# KiCad board bottom-board.kicad_pcb
title: MOD DuoX - bottomboard; date: 2020-02-19; rev: 2.1; company: MOD Devices GmbH
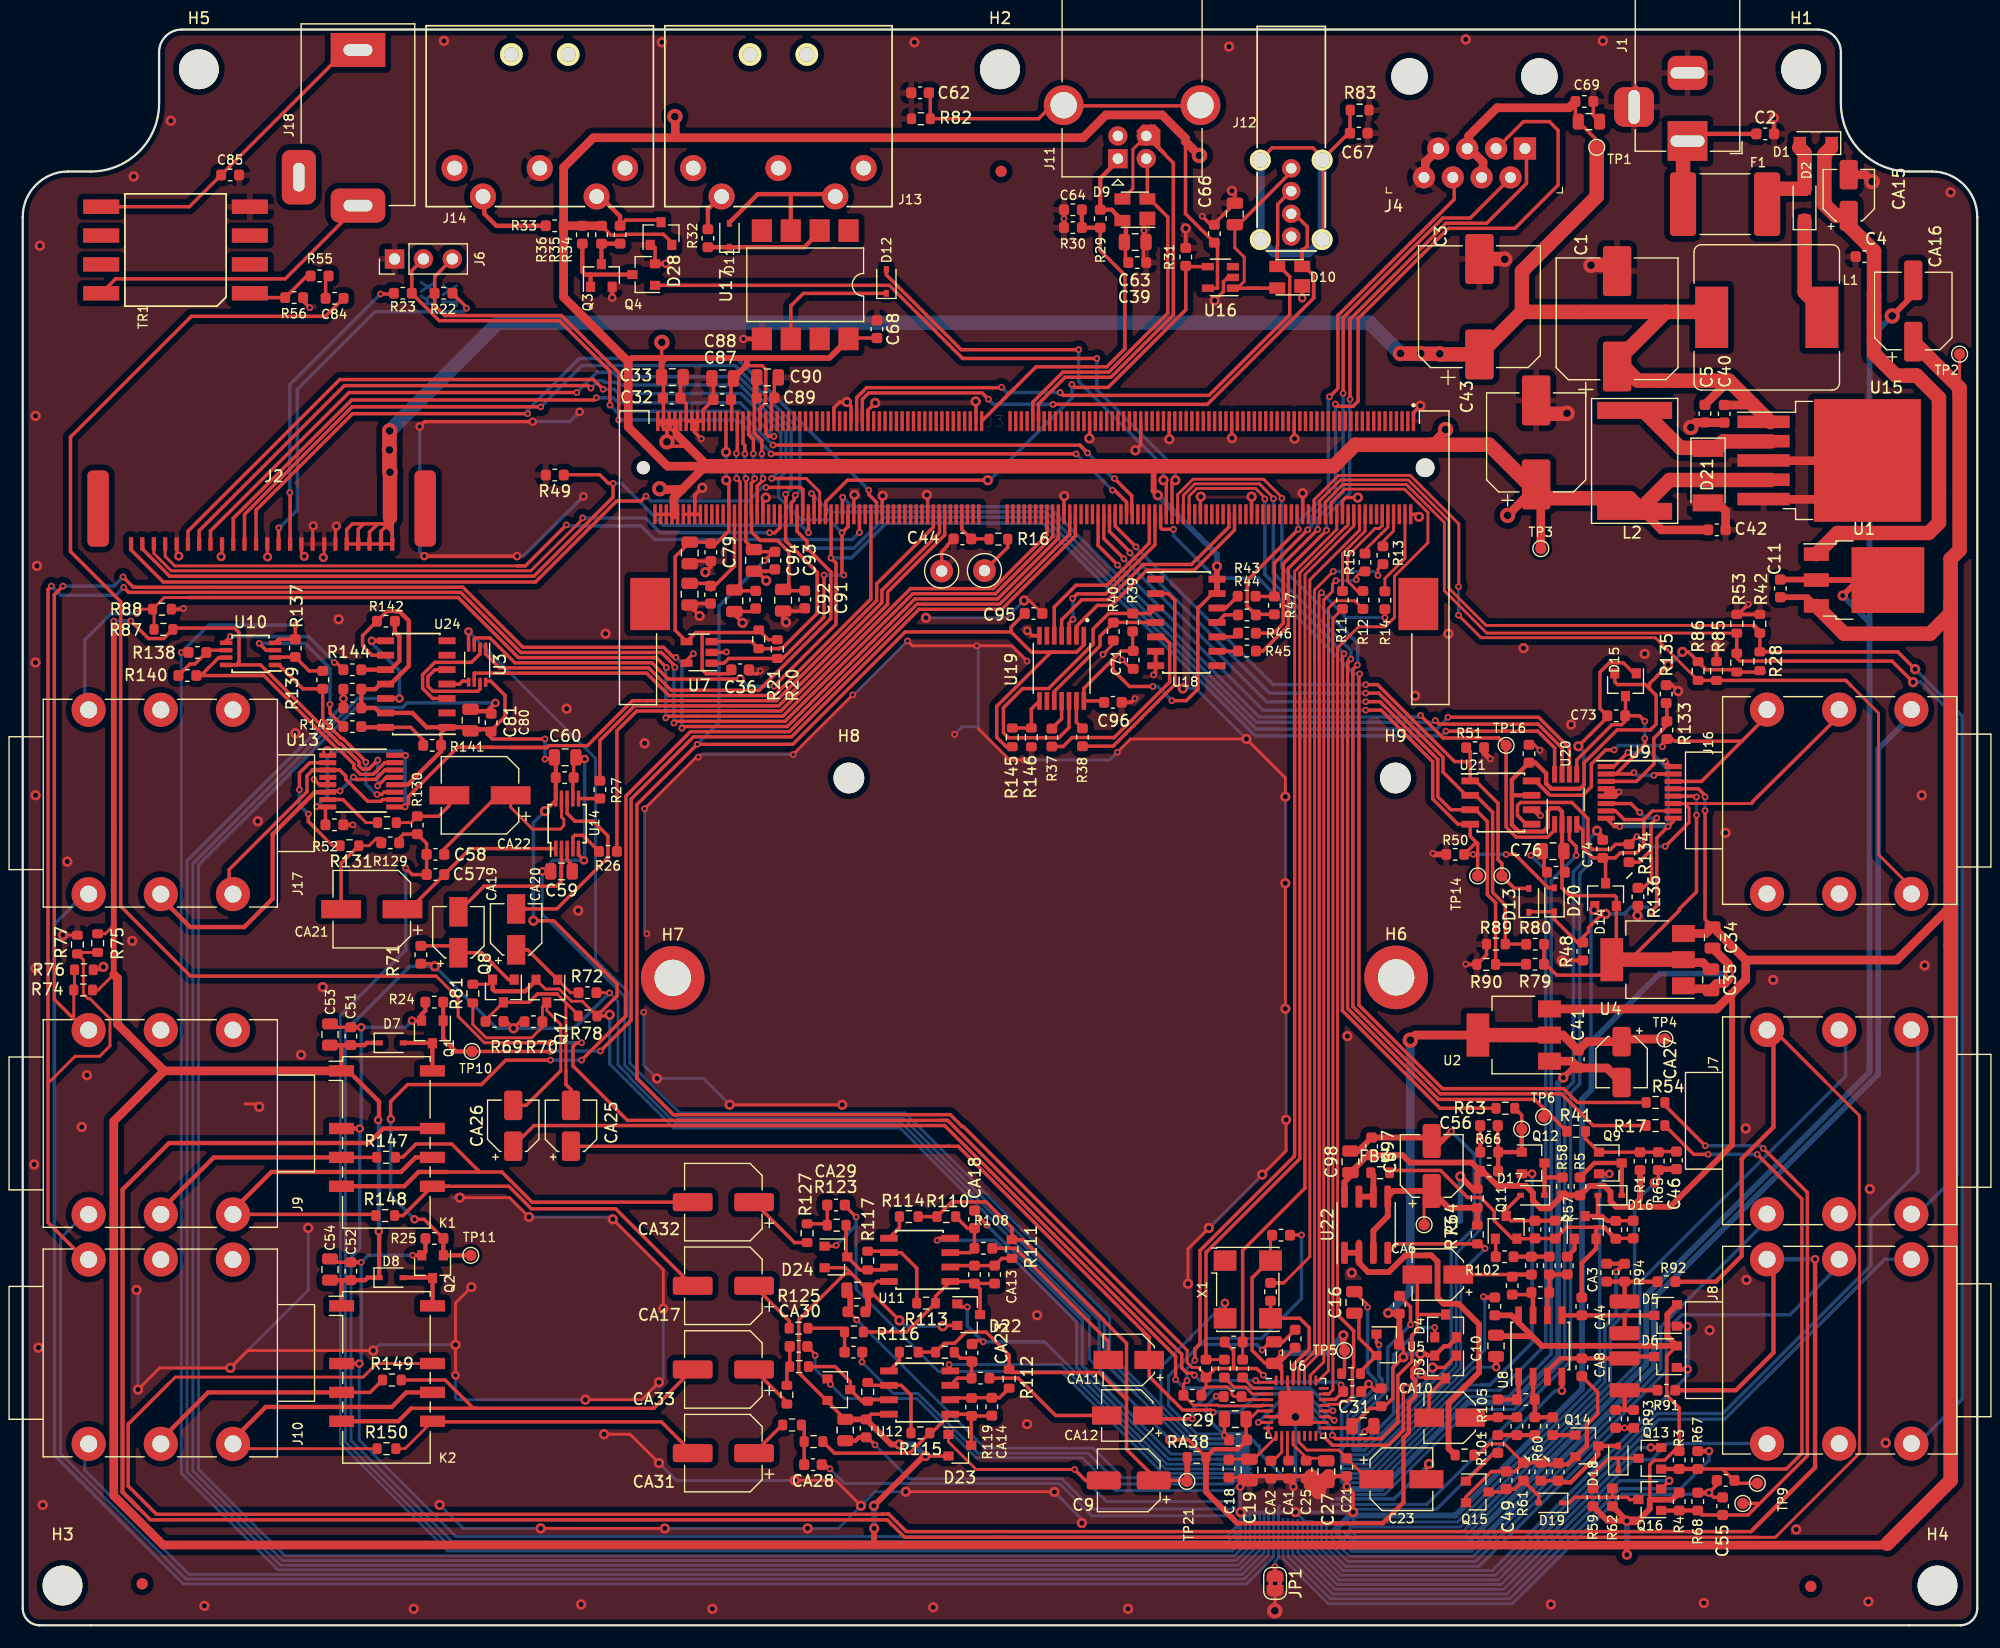
[diagram p0: board, top side]
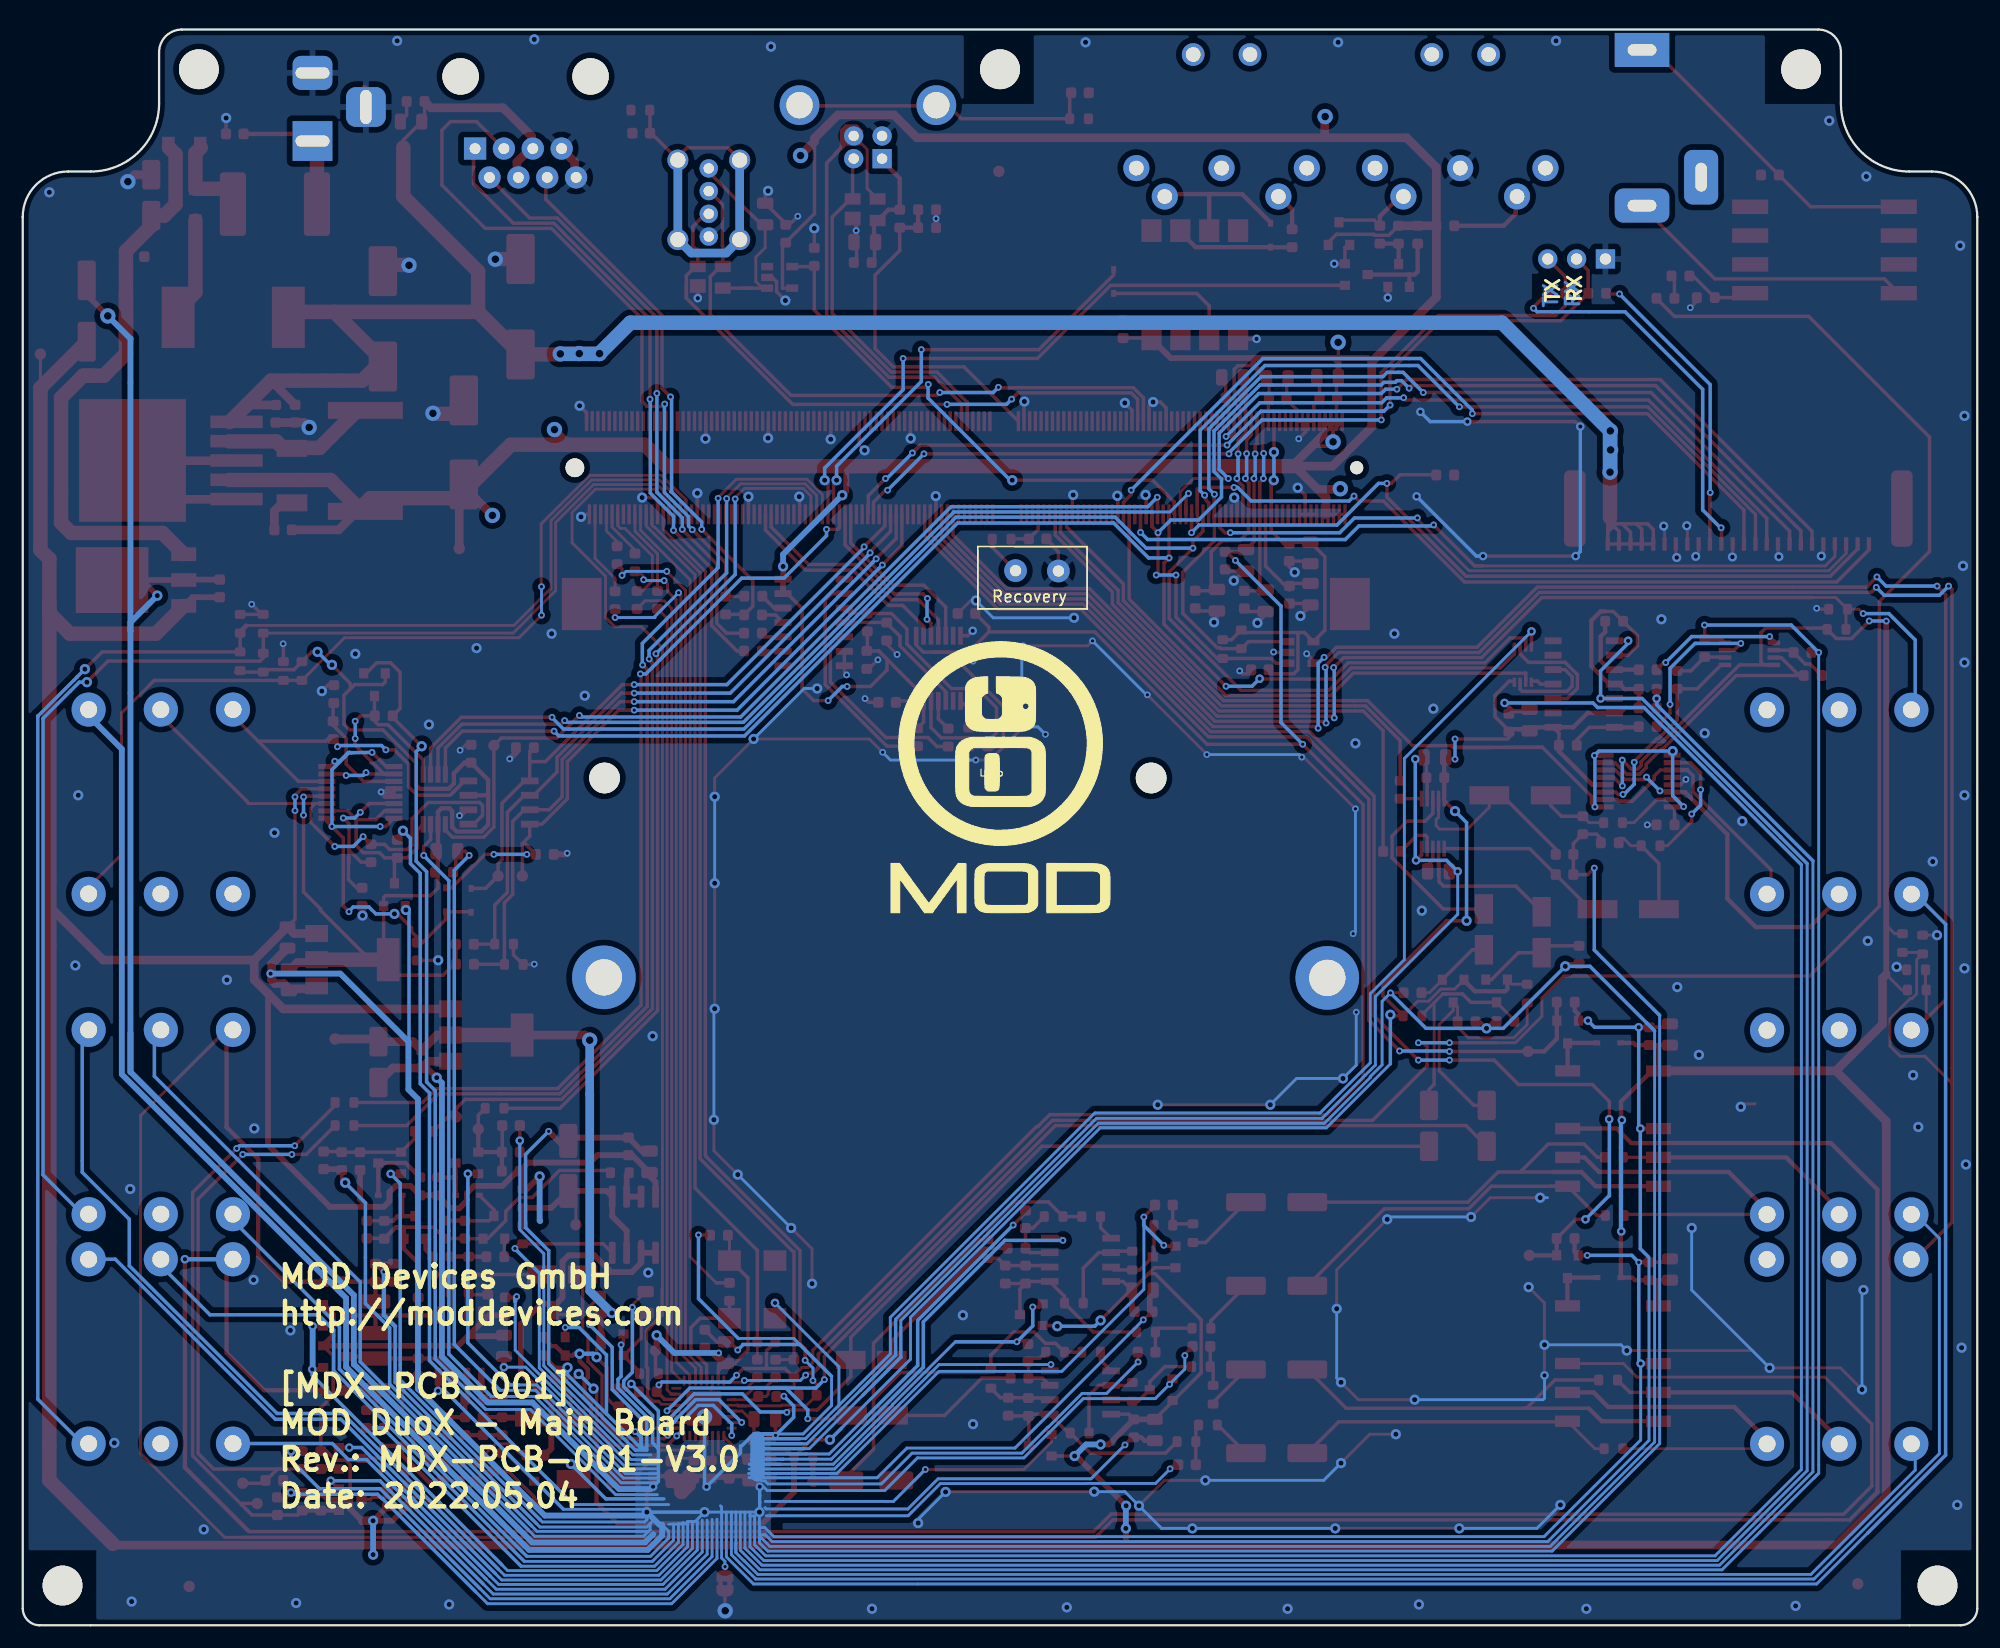
[diagram p1: board, bottom side, seen from below]

Outline 172 x 140.5 mm; copper layers: Top, GNDD (plane), +5VD (plane), Bottom. Coordinates in mm from the lower left corner of the outline.
Outline path: 0,124 0,1.5 arc(0.44,0.44) 1.5,0 170.5,0 arc(171.56,0.44) 172,1.5 172,124 arc(170.83,126.83) 168,128 166,128 arc(161.76,129.76) 160,134 160,138.5 arc(159.41,139.91) 158,140.5 14,140.5 arc(12.59,139.91) 12,138.5 12,134 arc(10.24,129.76) 6,128 4,128 arc(1.17,126.83) 0,124
Stack: Top 0.035mm / dielectric 0.48mm FR4 er 4.5 / GNDD 0.035mm / dielectric 0.48mm FR4 er 4.5 / +5VD 0.035mm / dielectric 0.48mm FR4 er 4.5 / Bottom 0.035mm

## Placement (name value [footprint] x y rotation side)
C1  1000uF  [CP_Elec_10x10.5]  140.31 115.03 90 top
C2  100nF  [C_0603_1608Metric]  153.34 131.31 0 top
C3  1000uF  [CP_Elec_10x10.5]  128.19 116.1 90 top
C4  100nF  [C_0603_1608Metric]  162.07 120.5 180 top
C5  1nF  [C_0603_1608Metric]  148.03 106.68 270 top
C6  47uF  [CP_Elec_5x5.4#2]  123.99 40.44 90 top
C7  100nF  [C_0603_1608Metric]  64.5 90.3 90 top
C8  22uF  [C_0805_2012Metric]  62.62 90.2 270 top
C9  47uF  [CP_Elec_5x5.4#2]  97.33 12.76 180 top
C10  10uF  [C_0805_2012Metric#2]  129.65 24.6 270 top
C11  100nF  [C_0603_1608Metric]  154.67 91.29 90 top
C12  100nF  [C_0603_1608Metric]  73.37 27.6 0 top
C13  10uF  [C_0805_2012Metric#2]  73.46 29.5 180 top
C14  100nF  [C_0603_1608Metric]  74.22 17.34 90 top
C15  1uF  [C_0603_1608Metric]  121.14 28.23 90 top
C16  10uF  [C_0805_2012Metric]  117.18 28.43 90 top
C17  100nF  [C_0603_1608Metric]  110.73 34.35 180 top
C18  100nF  [C_0603_1608Metric]  106.14 13.79 90 top
C19  10uF  [C_0805_2012Metric]  107.96 13.67 270 top
C20  100nF  [C_0603_1608Metric]  116.99 20.58 180 top
C21  100nF  [C_0603_1608Metric]  116.52 13.92 90 top
C22  100nF  [C_0603_1608Metric]  106.47 20.14 0 top
C23  47uF  [CP_Elec_5x5.4]  121.32 12.86 0 top
C24  100nF  [C_0603_1608Metric]  111.97 25.23 270 top
C25  100nF  [C_0603_1608Metric]  112.94 13.71 90 top
C26  10uF  [C_0805_2012Metric]  110.12 24.01 90 top
C27  10uF  [C_0805_2012Metric]  114.72 13.53 270 top
C28  100nF  [C_0603_1608Metric]  106.95 16.31 0 top
C29  10uF  [C_0805_2012Metric]  106.7 18.15 180 top
C30  100nF  [C_0603_1608Metric]  119.54 20.07 270 top
C31  10uF  [C_0805_2012Metric]  117.95 17.53 0 top
C32  100nF  [C_0603_1608Metric]  57.11 108.05 180 top
C33  22uF  [C_0805_2012Metric]  57.17 109.9 0 top
C34  10uF  [C_0805_2012Metric#2]  148.7 60.56 270 top
C35  10uF  [C_0805_2012Metric]  148.57 56.83 270 top
C36  100nF  [C_0603_1608Metric]  63.13 84.13 0 top
C37  100nF  [C_0603_1608Metric]  129.54 28.08 270 top
C38  10uF  [C_0805_2012Metric#2]  72.38 17.19 270 top
C39  100nF  [C_0603_1608Metric]  98.08 119.98 180 top
C40  100nF  [C_0603_1608Metric]  149.73 106.67 270 top
C41  100nF  [C_0603_1608Metric]  136.89 49.84 270 top
C42  100nF  [C_0603_1608Metric]  149.08 96.45 0 top
C43  470uF  [CP_Elec_8x10.5]  133.18 104.15 90 top
C44  1nF  [C_0603_1608Metric]  82.69 95.65 180 top
C45  100nF  [C_0603_1608Metric]  149.86 12.76 0 top
C46  100nF  [C_0603_1608Metric]  145.53 40.94 90 top
C47  100nF  [C_0603_1608Metric]  135.11 13.51 270 top
C48  100nF  [C_0603_1608Metric]  141.72 34.84 90 top
C49  100nF  [C_0603_1608Metric]  130.54 12.77 270 top
C50  100nF  [C_0603_1608Metric]  133.08 34.84 90 top
C51  100nF  [C_0603_1608Metric]  28.87 51.87 270 top
C52  100nF  [C_0603_1608Metric]  28.87 31.18 270 top
C53  22uF  [C_0805_2012Metric#2]  27.04 52.02 90 top
C54  22uF  [C_0805_2012Metric#2]  27.04 31.33 90 top
C55  100nF  [C_0603_1608Metric]  149.59 10.48 270 top
C56  100nF  [C_0603_1608Metric]  129.03 44 0 top
C57  100nF  [C_0603_1608Metric]  36.32 66.1 0 top
C58  100nF  [C_0603_1608Metric]  36.32 67.88 0 top
C59  10uF  [C_0805_2012Metric]  47.41 66.38 180 top
C60  10uF  [C_0805_2012Metric]  47.73 76.42 180 top
C61  100nF  [C_0603_1608Metric]  47.69 74.63 0 top
C62  1uF  [C_0603_1608Metric]  78.97 134.93 180 top
C63  10uF  [C_0805_2012Metric]  97.9 121.79 0 top
C64  100nF  [C_0603_1608Metric]  92.42 124.63 180 top
C65  100nF  [C_0603_1608Metric]  104.86 122.52 90 top
C66  10uF  [C_0805_2012Metric]  106.66 124.26 270 top
C67  1uF  [C_0603_1608Metric]  117.57 131.38 0 top
C68  100nF  [C_0603_1608Metric]  75.17 114.12 270 top
C69  10uF  [C_0805_2012Metric#2]  137.83 132.39 0 top
C70  100nF  [C_0603_1608Metric]  137.42 134.17 0 top
C71  100nF  [C_0603_1608Metric]  97.72 84.99 270 top
C72  100nF  [C_0603_1608Metric]  60.53 90.74 90 top
C73  33nF  [C_0603_1608Metric]  140.23 80.08 180 top
C74  33nF  [C_0603_1608Metric]  139.04 68.36 90 top
C75  100nF  [C_0603_1608Metric]  134.92 66.3 0 top
C76  10uF  [C_0805_2012Metric]  134.67 68.15 180 top
C77  1uF  [C_0603_1608Metric]  132.55 76.74 270 top
C78  22uF  [C_0805_2012Metric]  58.68 90.78 270 top
C79  100nF  [C_0603_1608Metric]  60.55 94.47 90 top
C80  100nF  [C_0603_1608Metric]  41.22 79.47 270 top
C81  10uF  [C_0805_2012Metric]  39.41 79.7 90 top
C82  100nF  [C_0603_1608Metric]  29.01 82.42 0 top
C83  100nF  [C_0603_1608Metric]  29.01 80.77 0 top
C84  10nF  [C_0603_1608Metric]  27.44 116.83 0 top
C85  22pF  [C_0603_1608Metric]  18.25 127.69 180 top
C86  22uF  [C_0805_2012Metric]  58.7 94.42 270 top
C87  100nF  [C_0603_1608Metric]  61.55 107.92 0 top
C88  22uF  [C_0805_2012Metric]  61.59 109.79 180 top
C89  100nF  [C_0603_1608Metric]  65.36 108.07 180 top
C90  22uF  [C_0805_2012Metric]  65.54 109.87 0 top
C91  100nF  [C_0603_1608Metric]  68.82 90.32 90 top
C92  22uF  [C_0805_2012Metric]  66.91 90.25 270 top
C93  100nF  [C_0603_1608Metric]  66.19 93.75 90 top
C94  22uF  [C_0805_2012Metric]  64.35 93.76 270 top
C95  100nF  [C_0603_1608Metric]  88.95 89.08 0 top
C96  100nF  [C_0603_1608Metric]  95.93 81.26 0 top
C97  100nF  [C_0603_1608Metric]  118.7 42.17 270 top
C98  10uF  [C_0805_2012Metric]  116.84 40.81 90 top
CA1  2.2nF  [C_0603_1608Metric]  111.4 13.71 270 top
CA2  2.2nF  [C_0603_1608Metric]  109.84 13.7 270 top
CA3  100pF  [C_0603_1608Metric]  139.39 31.05 270 top
CA4  1uF  [C_1210_3225Metric]  140.97 27.12 90 top
CA5  100pF  [C_0603_1608Metric]  133.55 29.3 180 top
CA6  10uF  [CP_Elec_4x5.7]  124.53 30.88 180 top
CA7  100pF  [C_0603_1608Metric]  140.18 18.17 90 top
CA8  1uF  [C_1210_3225Metric]  140.97 22.1 270 top
CA9  100pF  [C_0603_1608Metric]  132.27 19.88 180 top
CA10  10uF  [CP_Elec_4x5.7]  125.57 18.28 180 top
CA11  10uF  [CP_Elec_4x5.7]  97.33 23.36 180 top
CA12  10uF  [CP_Elec_4x5.7]  97.2 18.47 180 top
CA13  100pF  [C_0603_1608Metric]  85.53 30.88 90 top
CA14  100pF  [C_0603_1608Metric]  85.28 19.25 90 top
CA15  10uF  [CP_Elec_4x5.7#2]  160.69 125.92 90 top
CA16  100uF  [CP_Elec_6.3x7.7#2]  166.37 115.72 90 top
CA17  47uF  [CP_Elec_6.3x7.7#2]  61.66 29.89 180 top
CA18  100pF  [C_0603_1608Metric]  83.75 35.74 90 top
CA19  10uF  [CP_Elec_4x5.7]  38.34 61.02 90 top
CA20  10uF  [CP_Elec_4x5.7]  43.42 61.27 90 top
CA21  100uF  [CP_Elec_6.3x7.7]  30.72 63.05 180 top
CA22  100uF  [CP_Elec_6.3x7.7]  40.24 73.08 180 top
CA23  100pF  [C_0603_1608Metric]  83.54 23.98 90 top
CA24  100pF  [C_0603_1608Metric]  73.1 24.05 180 top
CA25  10uF  [CP_Elec_4x5.7#2]  48.24 43.98 90 top
CA26  10uF  [CP_Elec_4x5.7#2]  43.16 43.98 90 top
CA27  10uF  [CP_Elec_4x5.7#2]  140.7 49.59 270 top
CA28  100pF  [C_0603_1608Metric]  69.54 14.14 180 top
CA29  100pF  [C_0603_1608Metric]  71.57 37 180 top
CA30  100pF  [C_0603_1608Metric]  68.27 24.56 180 top
CA31  47uF  [CP_Elec_6.3x7.7#2]  61.66 15.16 180 top
CA32  47uF  [CP_Elec_6.3x7.7#2]  61.66 37.26 180 top
CA33  47uF  [CP_Elec_6.3x7.7#2]  61.66 22.52 180 top
D1  RSX205  [D_SOD-123F]  157.78 130.5 180 top
D2  RSX205  [D_SOD-123F]  156.8 125.08 90 top
D3  BAT54S  [SOT-23]  125.21 22.75 270 top
D4  BAT54S  [SOT-23]  125.21 26.36 90 top
D5  BAT54S  [SOT-23]  144.58 27.28 180 top
D6  BAT54S  [SOT-23]  144.56 23.65 180 top
D7  1N4148  [D_SOD-323]  32.43 51.28 0 top
D8  1N4148  [D_SOD-323]  32.42 30.61 0 top
D9  PRTR5V0U2X  [SOT-143]  97.87 124.63 180 top
D10  PRTR5V0U2X  [SOT-143]  111.5 118.69 180 top
D11  1N4148  [D_SOD-323]  62.19 122.39 90 top
D12  1N4148  [D_SOD-323]  76 118.32 90 top
D13  1N4148  [D_SOD-323]  132.54 63.83 90 top
D14  BAT54S  [SOT-23]  139.29 64.33 90 top
D15  BAT54S  [SOT-23]  141.05 82.82 270 top
D16  1N4148  [D_SOD-323]  139.66 37.86 180 top
D17  1N4148  [D_SOD-323]  132.86 37.86 180 top
D18  1N4148  [D_SOD-323]  140.41 14.74 90 top
D19  1N4148  [D_SOD-323]  134.46 10.78 180 top
D20  1N4148  [D_SOD-323]  134.79 63.88 90 top
D21  D_Schottky-Device  [D_MELF]  148.31 101.23 270 top
D22  BAT54S  [SOT-23]  83.25 27.35 0 top
D23  BAT54S  [SOT-23]  82.47 15.85 0 top
D24  BAT54S  [SOT-23]  71.56 32.43 0 top
D25  BAT54S  [SOT-23]  71.82 20.75 0 top
D28  BAT54S  [SOT-23]  56.17 122.54 90 top
F1  Fuse 2A  [Fuse_2920_0ZCF_Bel]  149.81 125.13 180 top
FB1  Ferrite_Bead  [R_0603_1608Metric#2]  116.89 22.16 0 top
FB2  Ferrite_Bead  [R_0603_1608Metric#2]  126.88 14.99 180 top
FB3  Ferrite_Bead  [R_0603_1608Metric#2]  119.46 39.85 180 top
FID1  FIDUCIAL  [fiducial_in-circuit]  10.51 3.65 0 top
FID2  FIDUCIAL  [fiducial_in-circuit]  157.35 3.42 0 top
FID3  FIDUCIAL  [fiducial_in-circuit]  86.1 128.01 0 top
H1  HOLE  [MountingHole_3.5mm]  156.5 137 0 top
H2  HOLE  [MountingHole_3.5mm]  86 137 0 top
H3  HOLE  [MountingHole_3.5mm]  3.5 3.5 0 top
H4  HOLE  [MountingHole_3.5mm]  168.5 3.5 0 top
H5  HOLE  [MountingHole_3.5mm]  15.5 137 0 top
H6  Standoff  [MountingHole_3.2mm_M3_DIN965_Pad]  120.86 57.05 0 top
H7  Standoff  [MountingHole_3.2mm_M3_DIN965_Pad]  57.2 57 0 top
H8  HOLE  [MountingHole_2.7mm]  72.7 74.6 0 top
H9  HOLE  [MountingHole_2.7mm]  120.8 74.6 0 top
IMG1  Logo  [mod-logo]  85.96 74.67 180 bottom
J1  Power Jack  [BarrelJack_Horizontal]  146.5 130.68 270 top
J2  Conn_01x25  [F51L-1A7H1-11024]  22.11 100.67 0 top
J3  AS0A823-H4SB-7H  [TE_2309409-1]  85.51 101.92 0 top
J4  RJ45  [Ethernet_Jack_54602-908LF]  132.19 130.02 180 top
J6  SERIAL_DEBUG  [PinHeader_1x03_P2.54mm_Vertical]  32.72 120.3 90 top
J7  NYS215  [NMJ6HCD2]  153.5 52.43 270 top
J8  NYS215  [NMJ6HCD2]  153.5 32.23 270 top
J9  NYS215  [NMJ6HCD2]  18.5 36.18 90 top
J10  NYS215  [NMJ6HCD2]  18.5 15.98 90 top
J11  USB_B  [USB_B_OST_USB-B1HSxx_Horizontal]  96.37 129.13 90 top
J12  USB_A  [USB_A_Vertical]  111.63 128.28 0 top
J13  DIN_5  [SDS-50J]  59 128.3 0 top
J14  DIN_5  [SDS-50J]  38 128.3 0 top
J16  NYS215  [NMJ6HCD2]  153.5 80.63 270 top
J17  NYS215  [NMJ6HCD2]  18.5 64.38 90 top
J18  -  [MJ-3536N]  29.5 138.7 270 top
JP1  Jumper  [SolderJumper-2_P1.3mm_Bridged2Bar_RoundedPad1.0x1.5mm]  110.21 3.69 270 top
K1  G6S-2  [Relay_DPDT_Omron_G6S-2F]  32.05 42.47 0 top
K2  G6S-2  [Relay_DPDT_Omron_G6S-2F]  32.06 21.77 0 top
L1  1mH  [L_Bourns_SRR1260]  153.48 115.16 180 top
L2  47UH 2A 135 MOHM  [SRN8040TA]  141.84 101.89 180 top
Q1  2N7002  [SOT-23]  36.05 52.24 270 top
Q2  2N7002  [SOT-23]  36.07 31.57 270 top
Q3  2N7002  [SOT-23]  50.92 118.85 90 top
Q4  2N7002  [SOT-23]  54.65 118.93 180 top
Q8  J110  [SOT-23]  42.3 55.85 270 top
Q9  2N7002  [SOT-23]  139.71 40.71 0 top
Q10  J110  [SOT-23]  137.5 35.03 90 top
Q11  J110  [SOT-23]  130.54 35.04 90 top
Q12  2N7002  [SOT-23]  132.92 40.71 0 top
Q13  2N7002  [SOT-23]  143.18 14.7 180 top
Q14  J110  [SOT-23]  137.64 15.79 0 top
Q15  J110  [SOT-23]  128 11.74 0 top
Q16  2N7002  [SOT-23]  143.18 11.06 180 top
Q17  J110  [SOT-23]  46.12 55.83 270 top
R1  10K  [R_0603_1608Metric]  142.32 40.86 90 top
R2  10K  [R_0603_1608Metric]  129.05 39.99 0 top
R3  10K  [R_0603_1608Metric]  145.77 14.55 270 top
R4  10K  [R_0603_1608Metric]  145.77 10.89 270 top
R5  100K  [R_0603_1608Metric]  137.04 38.64 90 top
R6  2K7  [R_0603_1608Metric]  102.93 20.25 180 top
R7  2K7  [R_0603_1608Metric]  104.13 22.6 90 top
R8  2K7  [R_0603_1608Metric]  106.57 24.94 0 top
R9  22R  [R_0603_1608Metric]  107.35 22.6 90 top
R10  22R  [R_0603_1608Metric]  105.75 22.6 90 top
R11  22R  [R_0603_1608Metric]  116.14 90.28 90 top
R12  22R  [R_0603_1608Metric]  117.94 90.28 90 top
R13  22R  [R_0603_1608Metric]  119.69 94.22 90 top
R14  22R  [R_0603_1608Metric]  119.87 90.25 90 top
R15  22R  [R_0603_1608Metric]  118.12 93.58 90 top
R16  10R  [R_0603_1608Metric#2]  85.86 95.63 0 top
R17  1K  [R_0603_1608Metric#2]  143.69 44 180 top
R18  1M  [R_0603_1608Metric]  140.18 34.82 270 top
R19  22R  [R_0603_1608Metric]  109.81 29.36 90 top
R20  2K7  [R_0603_1608Metric#2]  66.41 85.95 90 top
R21  2K7  [R_0603_1608Metric#2]  64.77 86.81 90 top
R22  2K7  [R_0603_1608Metric]  37.03 117.28 180 top
R23  2K7  [R_0603_1608Metric]  33.45 117.28 0 top
R24  10K  [R_0603_1608Metric]  36.21 54.87 180 top
R25  10K  [R_0603_1608Metric]  36.23 34.06 180 top
R26  22R  [R_0603_1608Metric]  51.5 68.13 0 top
R27  22R  [R_0603_1608Metric]  50.79 73.58 90 top
R28  100K  [R_0603_1608Metric#2]  152.87 84.88 270 top
R29  10K  [R_0603_1608Metric]  94.82 123.85 90 top
R30  15K  [R_0603_1608Metric]  92.42 123.06 180 top
R31  10K  [R_0603_1608Metric]  102.35 120.48 270 top
R32  220R  [R_0603_1608Metric]  60.29 122.12 270 top
R33  220R  [R_0603_1608Metric]  46.81 123.22 0 top
R34  220R  [R_0603_1608Metric]  52.57 122.43 270 top
R35  10K  [R_0603_1608Metric]  50.94 122.43 270 top
R36  10K  [R_0603_1608Metric]  49.25 122.43 270 top
R37  22R  [R_0603_1608Metric]  90.56 78.16 270 top
R38  22R  [R_0603_1608Metric]  93.25 78.19 270 top
R39  10K  [R_0603_1608Metric]  97.67 88.3 90 top
R40  10K  [R_0603_1608Metric]  95.97 87.5 270 top
R41  1K  [R_0603_1608Metric#2]  136.7 43.49 180 top
R42  56K  [R_0603_1608Metric#2]  152.87 88.18 270 top
R43  56R  [R_0603_1608Metric]  107.71 90.61 180 top
R44  56R  [R_0603_1608Metric]  107.73 88.96 180 top
R45  56R  [R_0603_1608Metric]  107.73 85.78 180 top
R46  56R  [R_0603_1608Metric]  107.73 87.36 180 top
R47  100R  [R_0603_1608Metric]  110.14 89.8 270 top
R48  10K  [R_0603_1608Metric]  137.29 59.33 270 top
R49  10K  [R_0603_1608Metric]  46.82 101.28 180 top
R50  10K  [R_0603_1608Metric]  126.06 67.88 180 top
R51  10K  [R_0603_1608Metric]  127.81 77.27 0 top
R52  10K  [R_0603_1608Metric]  27.43 70.48 0 top
R53  56K  [R_0603_1608Metric#2]  150.84 88.18 270 top
R54  1K  [R_0603_1608Metric#2]  143.69 46.03 0 top
R55  243R  [R_0603_1608Metric]  26.12 118.8 0 top
R56  107R  [R_0603_1608Metric]  23.89 116.9 0 top
R57  1M  [R_0603_1608Metric]  134.86 34.84 270 top
R58  100K  [R_0603_1608Metric]  135.5 38.65 90 top
R59  100K  [R_0603_1608Metric]  138.18 11.27 90 top
R60  1M  [R_0603_1608Metric]  133.59 13.52 90 top
R61  1M  [R_0603_1608Metric]  132.06 13.52 90 top
R62  100K  [R_0603_1608Metric]  139.9 11.27 90 top
R63  1K  [R_0603_1608Metric#2]  130.48 45.52 0 top
R64  1K  [R_0603_1608Metric#2]  128 37.59 270 top
R65  2K7  [R_0603_1608Metric]  143.93 40.87 90 top
R66  2K7  [R_0603_1608Metric]  129.05 41.66 0 top
R67  2K7  [R_0603_1608Metric]  147.4 14.55 270 top
R68  2K7  [R_0603_1608Metric]  147.4 10.89 270 top
R69  1M  [R_0603_1608Metric]  41.52 53.17 180 top
R70  1M  [R_0603_1608Metric]  44.94 53.14 0 top
R71  56K  [R_0603_1608Metric]  35.04 59.04 90 top
R72  56K  [R_0603_1608Metric]  49.7 55.7 180 top
R73  1K5  [R_0603_1608Metric#2]  128 34.41 270 top
R74  220K  [R_0603_1608Metric#2]  5.32 55.94 0 top
R75  220K  [R_0603_1608Metric#2]  6.59 60.06 90 top
R76  47K  [R_0603_1608Metric#2]  5.38 57.72 180 top
R77  47K  [R_0603_1608Metric#2]  4.81 59.94 270 top
R78  1M  [R_0603_1608Metric#2]  49.71 53.65 0 top
R79  10K  [R_0603_1608Metric]  133.08 58.2 0 top
R80  10K  [R_0603_1608Metric]  133.09 59.96 0 top
R81  1M  [R_0603_1608Metric#2]  39.61 55.62 90 top
R82  1M  [R_0603_1608Metric#2]  79.04 132.65 0 top
R83  1M  [R_0603_1608Metric#2]  117.65 133.41 180 top
R84  100K  [R_0603_1608Metric#2]  150.84 84.75 270 top
R85  56K  [R_0603_1608Metric#2]  149.06 84.02 270 top
R86  100K  [R_0603_1608Metric#2]  147.43 84.02 90 top
R87  220K  [R_0603_1608Metric#2]  12.38 87.69 0 top
R88  47K  [R_0603_1608Metric#2]  12.25 89.47 180 top
R89  15K  [R_0603_1608Metric#2]  129.64 59.98 0 top
R90  15K  [R_0603_1608Metric#2]  128.79 58.19 0 top
R91  47R  [R_0603_1608Metric]  144.64 20.7 0 top
R92  47R  [R_0603_1608Metric]  144.64 30.25 0 top
R93  1M  [R_0603_1608Metric]  141.76 18.17 90 top
R94  1M  [R_0603_1608Metric]  140.97 31.05 270 top
R95  1M  [R_0603_1608Metric]  137.2 22.71 90 top
R96  1M  [R_0603_1608Metric]  137.2 28.08 270 top
R97  5K6  [R_0603_1608Metric]  134.64 17.53 90 top
R98  5K6  [R_0603_1608Metric]  135.92 31.67 270 top
R99  22K  [R_0603_1608Metric]  133.06 17.53 270 top
R100  22K  [R_0603_1608Metric]  134.34 31.67 90 top
R101  4K7  [R_0603_1608Metric]  129.81 15.96 270 top
R102  4K7  [R_0603_1608Metric]  130.41 32.45 180 top
R103  4K7  [R_0603_1608Metric]  131.49 17.53 90 top
R104  4K7  [R_0603_1608Metric]  132.76 31.67 270 top
R105  100R  [R_0603_1608Metric]  129.81 19.1 270 top
R106  100R  [R_0603_1608Metric]  131.07 29.9 90 top
R107  10K  [R_0603_1608Metric]  84.29 21.76 180 top
R108  10K  [R_0603_1608Metric]  84.54 33.19 180 top
R109  10K  [R_0603_1608Metric#2]  81.15 24.05 180 top
R110  10K  [R_0603_1608Metric#2]  81.28 35.99 180 top
R111  10K  [R_0603_1608Metric#2]  87.06 33.13 90 top
R112  10K  [R_0603_1608Metric#2]  86.8 21.7 90 top
R113  10K  [R_0603_1608Metric#2]  79.5 28.37 180 top
R114  10K  [R_0603_1608Metric#2]  77.97 35.99 180 top
R115  10K  [R_0603_1608Metric#2]  78.99 16.94 180 top
R116  10K  [R_0603_1608Metric#2]  77.97 24.05 180 top
R117  10K  [R_0603_1608Metric#2]  74.36 32.11 270 top
R118  10K  [R_0603_1608Metric]  83.75 30.88 270 top
R119  10K  [R_0603_1608Metric]  83.5 19.22 270 top
R120  10K  [R_0603_1608Metric#2]  74.36 20.55 270 top
R121  150R  [R_0603_1608Metric#2]  73.15 25.83 180 top
R122  150R  [R_0603_1608Metric#2]  69.59 16.17 180 top
R123  150R  [R_0603_1608Metric#2]  71.62 35.22 180 top
R124  150R  [R_0603_1608Metric#2]  68.32 22.78 180 top
R125  150R  [R_0603_1608Metric#2]  68.27 26.16 180 top
R126  150R  [R_0603_1608Metric#2]  67.7 17.63 180 top
R127  150R  [R_0603_1608Metric#2]  69.02 34.52 270 top
R128  150R  [R_0603_1608Metric#2]  67.24 20.3 270 top
R129  75K  [R_0603_1608Metric]  32.34 68.89 0 top
R130  75K  [R_0603_1608Metric]  34.72 70.44 270 top
R131  6R8  [R_0603_1608Metric#2]  28.75 68.64 180 top
R132  6R8  [R_0603_1608Metric#2]  32.05 70.67 180 top
R133  10K  [R_0603_1608Metric]  144.69 78.81 90 top
R134  10K  [R_0603_1608Metric]  141.35 67.98 270 top
R135  10K  [R_0603_1608Metric]  144.62 81.99 90 top
R136  10K  [R_0603_1608Metric]  142.14 64.14 270 top
R137  10K  [R_0603_1608Metric]  23.99 86.04 270 top
R138  10K  [R_0603_1608Metric]  15.38 85.66 0 top
R139  10K  [R_0603_1608Metric]  26.4 83.24 270 top
R140  10K  [R_0603_1608Metric]  14.49 83.62 0 top
R141  499K  [R_0603_1608Metric]  36.03 77.48 180 top
R142  499K  [R_0603_1608Metric]  31.96 88.4 0 top
R143  1K  [R_0603_1608Metric]  29.01 79.12 180 top
R144  1K  [R_0603_1608Metric]  29 84.13 180 top
R145  10K  [R_0603_1608Metric#2]  87.08 78.18 90 top
R146  10K  [R_0603_1608Metric#2]  88.76 78.18 90 top
R147  0R  [R_0603_1608Metric#2]  31.98 41.21 0 top
R148  0R  [R_0603_1608Metric#2]  31.9 36.07 0 top
R149  0R  [R_0603_1608Metric#2]  32.48 21.6 0 top
R150  0R  [R_0603_1608Metric#2]  32.01 15.55 0 top
RA38  100R  [R_0603_1608Metric#2]  103.3 14.79 180 top
TP1  TestPoint  [TestPoint_Pad_D1.0mm]  138.51 130.13 180 top
TP2  TestPoint  [TestPoint_Pad_D1.0mm]  170.44 111.92 180 top
TP3  TestPoint  [TestPoint_Pad_D1.0mm]  133.59 94.8 0 top
TP4  TestPoint  [TestPoint_Pad_D1.0mm]  144.51 51.62 0 top
TP5  TestPoint  [TestPoint_Pad_D1.0mm]  116.32 24.19 0 top
TP6  TestPoint  [TestPoint_Pad_D1.0mm]  133.84 44.76 0 top
TP7  TestPoint  [TestPoint_Pad_D1.0mm]  131.91 43.69 0 top
TP8  TestPoint  [TestPoint_Pad_D1.0mm]  152.64 12.5 270 top